# Altium PCB E103-W02.PcbDoc (part 2 of 2)
Units mm, origin at the board's own origin, x right, y up, seen from the top; angles counter-clockwise.
Board outline 53.97 x 42.01 mm, 6 copper layers (Top Layer, GND, Signal Layer 1, Signal Layer 2, VCC, Bottom Layer), stack 1.231 mm thick; 119 components, 154 nets, 664 pads, 390 vias.
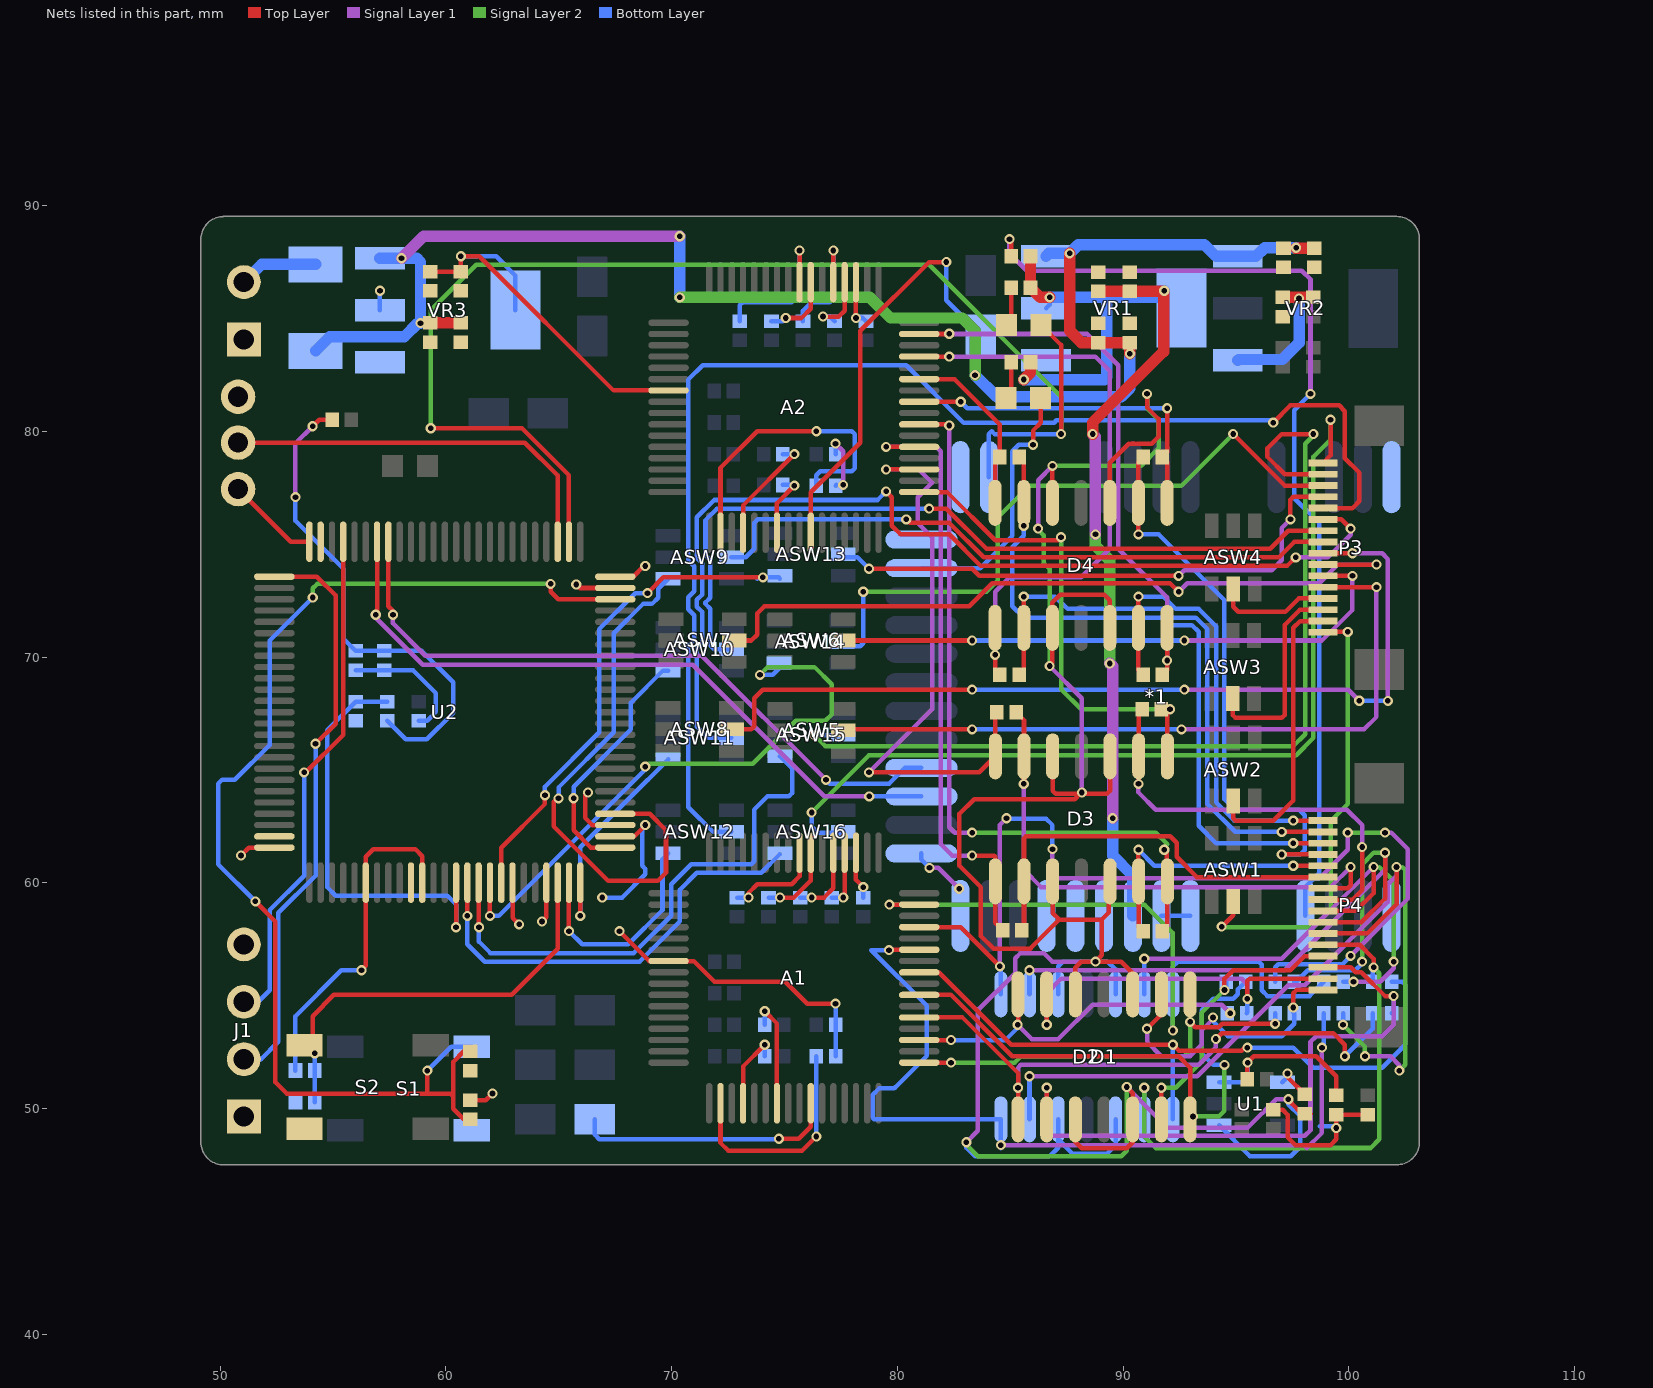
[diagram p6: the nets of this part, all layers, seen from the top]

## Via types
v1: diameter 0.45, hole 0.25, Top Layer to Bottom Layer, 390 vias

## Nets (pads, with @x,y where several pads share a name; then routed paths per layer and width w, separated by ;. In a path a pad name is that pad's centre, name@x,y a point inside that pad or via, vN(x,y) a via of type N, cw(c..) or ccw(c..) an arc to the next point about the centre after c; other vN are vias at no path point) (continued)
ENB2_1: ASW9.1 U2.29 | length 24
  Top Layer w0.2: v1(64.991,63.746) 64.991,63.808 64.77,63.587 64.77,62.513 67.194,60.089 69.387,60.089 69.752,60.454 69.752,62.338 69.026,63.064 U2.29@67.504,63.064
  Bottom Layer w0.2: v1(64.991,63.746) 64.991,64.229 67.437,66.675 67.437,71.061 68.734,72.359 69.128,72.359 69.408,72.638 69.408,73.032 ASW9.1@69.847,73.471
ENB2_2: ASW10.1 U2.26 | length 11.1
  Top Layer w0.2: v1(65.659,63.754) 65.659,62.332 66.427,61.564 U2.26@67.504,61.564
  Bottom Layer w0.2: v1(65.659,63.754) 65.659,64.262 68.199,66.802 68.199,67.985 69.622,69.408 ASW10.1@69.847,69.408
ENB2_3: ASW11.1 U2.25 | length 10
  Top Layer w0.2: v1(65.954,58.541) U2.25@65.954,60.014
  Bottom Layer w0.2: v1(65.954,58.541) 65.954,61.578 68.922,64.546 68.936,64.546 ; 68.936,64.547 68.936,64.56 ASW11.1@69.847,65.471
ENB2_4: ASW12.1 U2.24 | length 9.8
  Top Layer w0.2: v1(65.454,57.865) U2.24@65.454,60.014
  Bottom Layer w0.2: v1(65.454,57.865) 66.037,57.283 68.078,57.283 69.596,58.801 69.596,61.06 ASW12.1@69.847,61.311
ENB2_5: ASW13.1 U2.18 | length 22.3
  Top Layer w0.2: U2.18@62.484,59.984 U2.18@62.454,60.014 62.454,61.565 64.389,63.5 v1(64.389,63.881) ; v1(68.93,72.836) 69.627,73.533 v1(74.041,73.533)
  Bottom Layer w0.2: v1(64.389,63.881) 64.389,64.262 66.802,66.675 66.802,71.247 68.391,72.836 v1(68.93,72.836) ; 73.787,73.471 73.849,73.533 v1(74.041,73.533) 74.738,73.533 ASW13.1@74.8,73.471
ENB2_6: ASW14.1 U2.17 | length 26.4
  Top Layer w0.2: v1(61.954,58.541) U2.17@61.954,60.014
  Signal Layer 2 w0.2: v1(68.834,65.151) 68.961,65.278 73.591,65.278 75.496,67.183 76.811,67.183 77.089,67.461 77.089,68.802 76.327,69.564 74.263,69.564 v1(73.914,69.215)
  Bottom Layer w0.2: v1(61.954,58.541) 62.351,58.541 68.834,65.024 v1(68.834,65.151) ; v1(73.914,69.215) 74.48,69.215 ASW14.1@74.8,69.535
ENB2_7: ASW15.1 U2.16 | length 23.6
  Top Layer w0.2: U2.16@61.454,60.014 61.468,60 v1(61.468,58.039)
  Bottom Layer w0.2: v1(61.468,58.039) 61.468,57.404 61.976,56.896 68.326,56.896 69.977,58.547 69.977,59.944 70.866,60.833 73.533,60.833 73.665,60.965 73.665,63.251 74.247,63.833 75.184,63.833 75.333,63.982 75.333,65.081 ASW15.1@74.8,65.614
ENB2_8: ASW16.1 U2.15 | length 19.7
  Top Layer w0.2: v1(60.954,58.541) U2.15@60.954,60.014
  Bottom Layer w0.2: v1(60.954,58.541) 60.954,57.283 61.722,56.515 68.58,56.515 70.358,58.293 70.358,59.69 71.12,60.452 73.972,60.452 ASW16.1@74.8,61.28
ESP_RXD: *1.19 U2.69 | length 31
  Top Layer w0.2: v1(56.896,71.882) 56.954,71.94 U2.69@56.954,75.114
  Signal Layer 1 w0.2: v1(56.896,71.882) 56.758,71.882 58.98,69.659 70.929,69.659 76.756,63.833 v1(78.752,63.833)
  Bottom Layer w0.2: v1(78.752,63.833) *1.19@81.053,63.833
ESP_TXD: *1.20 U2.68 | length 30.3
  Top Layer w0.2: U2.68@57.454,75.114 57.454,72.263 57.658,72.059 v1(57.658,71.882)
  Signal Layer 1 w0.2: v1(57.658,71.882) 57.658,71.501 59.095,70.064 71.335,70.064 v1(76.835,64.564)
  Bottom Layer w0.2: v1(76.835,64.564) 77.01,64.389 79.629,64.389 80.337,65.097 *1.20@81.053,65.097
GND: *1.1 *1.8 *1.9 *1.11 *1.12 *1.13 *1.16 *1.17 *1.28 *1.29 *1.44 C1.1 C2.1 C3.1 C4.1 C5.1 C6.1 C11.1 C12.1 C13.1 C14.1 C20.1 C21.1 C22.1 C26.1 C30.1 J1.1 P1.1 pad.2@50.8,81.534 R2.1 R14.1 S1.2 S2.2 U2.10 U2.19 U2.27 U2.49 U2.74 U2.99 VR1.1 VR3.1 | length 19.4
  Top Layer w0.2: U2.19@62.954,60.014 62.954,58.458 v1(63.246,58.166) ; v1(65.773,73.218) 65.927,73.064 U2.49@67.504,73.064 ; U2.27@67.504,62.064 68.355,62.064 68.834,62.543 v1(68.834,62.568)
  Signal Layer 1 w0.2: v1(81.425,60.668) 81.807,60.668 v1(82.734,59.741)
  Bottom Layer w0.2: C26.1@56.007,69.425 C30.1@57.277,69.425 58.547,69.425 59.563,68.409 59.563,67.574 59.172,67.183 R14.1@58.801,67.183 ; v1(66.929,59.353) 67.807,59.353 68.834,60.38 68.834,60.619 68.692,60.761 68.692,62.426 v1(68.834,62.568) ; *1.17@81.053,61.305 81.053,61.04 v1(81.425,60.668) ; *1.9@91.691,58.541 *1.8@92.964,58.541
Is_nework: *1.30 D8.K U2.52 | length 58.4
  Top Layer w0.2: v1(59.334,80.137) 63.373,80.137 65.454,78.056 U2.52@65.454,75.114 ; D8.K@86.368,84.709 87.249,83.828 v1(87.249,79.883)
  Signal Layer 2 w0.2: v1(59.334,80.137) 59.334,85.369 61.341,87.376 81.407,87.376 87.249,81.534 v1(87.249,79.883)
  Bottom Layer w0.2: *1.30@84.05,77.972 84.05,79.883 84.177,80.01 84.304,79.883 v1(87.249,79.883)
j1_1: D1.2 P4.1 R18.1 | length 13.7
  Top Layer w0.2: v1(91.059,53.541) 91.694,54.176 D1.2@91.694,55.068 ; v1(97.536,54.483) 97.536,55.118 97.679,55.261 P4.1@98.849,55.261
  Signal Layer 1 w0.2: v1(91.059,53.541) 91.059,52.959 91.694,52.324 92.964,52.324 93.472,52.832 93.472,53.467 93.98,53.975 v1(93.98,54.041)
  Bottom Layer w0.2: v1(93.98,54.041) 93.98,53.875 94.642,53.213 97.028,53.213 97.58,53.765 R18.1@97.58,54.229 97.536,54.273 v1(97.536,54.483)
j1_2: D1.6 P4.2 R19.1 | length 17.5
  Top Layer w0.2: v1(86.614,53.721) D1.6@86.614,55.068 ; v1(95.504,54.864) 95.504,55.668 95.597,55.761 P4.2@98.849,55.761
  Signal Layer 1 w0.2: v1(86.614,53.721) 86.614,55.118 87.249,55.753 95.25,55.753 95.504,55.499 v1(95.504,54.864)
  Bottom Layer w0.2: R19.1@95.465,54.229 95.504,54.268 v1(95.504,54.864)
j1_3: D1.9 P4.3 R20.1 | length 28.9
  Top Layer w0.2: D1.9@86.614,49.53 v1(86.614,50.927) ; P4.3@98.849,56.261 100.088,56.261 100.308,56.041 100.55,56.041 101.6,54.991 v1(101.981,54.991)
  Signal Layer 1 w0.2: v1(86.614,50.927) 86.614,48.895 86.71,48.799 98.043,48.799 98.298,49.054 98.298,52.959 98.552,53.213 101.473,53.213 101.981,53.721 v1(101.981,54.991)
  Bottom Layer w0.2: R20.1@101.898,54.229 101.981,54.312 v1(101.981,54.991)
j1_4: D1.13 P4.4 R21.1 | length 12.9
  Top Layer w0.2: D1.13@91.694,49.53 v1(91.694,50.927) ; v1(94.488,55.261) 94.488,55.753 94.869,56.134 97.409,56.134 98.036,56.761 P4.4@98.849,56.761
  Signal Layer 2 w0.2: v1(91.694,50.927) 92.329,50.927 93.472,52.07 93.472,54.245 v1(94.488,55.261)
  Bottom Layer w0.2: v1(94.488,55.261) 94.571,55.344 R21.1@94.571,55.626
j1_5: D2.2 P4.5 R22.1 | length 25.6
  Top Layer w0.2: P4.5@98.849,57.261 100.473,57.261 101.092,56.642 v1(101.092,56.261)
  Signal Layer 2 w0.2: v1(90.932,50.927) 90.932,48.768 91.44,48.26 100.96,48.26 101.346,48.646 101.346,56.007 v1(101.092,56.261)
  Bottom Layer w0.2: D2.2@90.932,49.53 v1(90.932,50.927) ; R22.1@101.048,55.626 101.048,56.217 v1(101.092,56.261)
j1_6: D2.6 P4.6 R23.1 | length 41.8
  Top Layer w0.2: P4.6@98.849,57.761 100.814,57.761 102.108,59.055 v1(102.108,60.706)
  Signal Layer 1 w0.2: v1(85.852,51.435) 93.287,51.435 97.316,55.465 98.038,55.465 101.727,59.153 101.727,59.944 102.108,60.325 v1(102.108,60.706) ; v1(100.711,52.324) 101.841,52.324 102.235,51.93 v1(102.235,51.689)
  Signal Layer 2 w0.2: v1(99.739,53.721) 100.711,52.749 v1(100.711,52.324) ; v1(102.108,60.706) 102.362,60.706 102.489,60.579 102.489,51.943 v1(102.235,51.689)
  Bottom Layer w0.2: D2.6@85.852,49.53 v1(85.852,51.435) ; v1(99.739,53.721) R23.1@99.739,54.229
j1_7: D2.9 P4.7 R24.1 | length 33.6
  Top Layer w0.2: P4.7@98.849,58.261 100.552,58.261 101.6,59.309 v1(101.6,61.341)
  Signal Layer 1 w0.2: v1(85.852,56.134) 97.155,56.134 101.6,60.579 v1(101.6,61.341)
  Signal Layer 2 w0.2: v1(100.584,56.515) 100.584,60.833 101.092,61.341 v1(101.6,61.341)
  Bottom Layer w0.2: D2.9@85.852,55.068 v1(85.852,56.134) ; R24.1@97.58,55.626 97.663,55.626 98.171,56.134 100.286,56.134 100.584,56.432 v1(100.584,56.515)
j1_8: D2.13 P4.8 R25.1 | length 24.6
  Top Layer w0.2: P4.8@98.849,58.761 100.308,58.761 101.092,59.545 v1(101.092,60.706)
  Signal Layer 1 w0.2: v1(90.932,56.642) 97.028,56.642 v1(101.092,60.706) ; v1(100.203,55.626) 101.387,55.626 101.981,56.22 v1(101.981,56.515)
  Signal Layer 2 w0.2: v1(101.092,60.706) 101.346,60.706 101.981,60.071 v1(101.981,56.515)
  Bottom Layer w0.2: D2.13@90.932,55.068 v1(90.932,56.642) ; R25.1@99.739,55.626 v1(100.203,55.626)
j2_1: D3.2 P4.9 R26.1 | length 18.9
  Top Layer w0.2: v1(90.678,64.389) 90.688,64.399 D3.2@90.688,65.609 90.688,67.535 R26.1@90.844,67.691 ; P4.9@98.849,59.261 100.155,59.261 100.584,59.69 v1(100.584,61.595)
  Signal Layer 1 w0.2: v1@90.678,64.262 90.678,64.008 91.44,63.246 99.902,63.246 100.584,62.564 v1(100.584,61.595)
j2_2: D3.6 P4.10 R27.1 | length 24.4
  Top Layer w0.2: R27.1@85.261,67.564 85.608,67.217 D3.6@85.608,65.609 85.608,64.399 v1(85.598,64.389) ; P4.10@98.849,59.761 99.944,59.761 100.076,59.893 v1(100.076,60.706)
  Signal Layer 1 w0.2: v1(85.598,64.389) 85.598,60.579 86.36,59.817 99.187,59.817 v1(100.076,60.706)
j2_3: D3.9 P4.11 R28.1 | length 18.5
  Top Layer w0.2: R28.1@85.515,57.912 85.608,58.005 D3.9@85.608,60.071 85.608,61.979 85.693,62.064 92.083,62.064 92.371,61.776 92.371,61.153 93.263,60.261 P4.11@98.849,60.261
j2_4: D3.13 P4.12 R29.1 | length 12.2
  Top Layer w0.2: v1(90.678,61.468) 90.678,60.081 D3.13@90.688,60.071 90.688,58.065 R29.1@90.888,57.865 ; v1(97.536,60.761) P4.12@98.849,60.761
  Bottom Layer w0.2: v1(90.678,61.468) 91.385,60.761 v1(97.536,60.761)
j2_5: D4.2 P4.13 R30.1 | length 25.7
  Top Layer w0.2: v1(90.678,75.438) D4.2@90.678,76.835 90.678,78.657 R30.1@90.888,78.867 ; v1(97.028,61.261) P4.13@98.849,61.261
  Bottom Layer w0.2: v1(90.678,75.438) 91.567,75.438 94.488,72.517 94.488,63.706 94.948,63.246 97.79,63.246 98.044,62.992 98.044,61.454 97.851,61.261 v1(97.028,61.261)
j2_6: D4.6 P4.14 R31.1 | length 30
  Top Layer w0.2: R31.1@85.388,78.867 85.598,78.657 D4.6@85.598,76.835 v1(85.598,75.819) ; v1(97.536,61.761) P4.14@98.849,61.761
  Bottom Layer w0.2: v1(85.598,75.819) 85.598,75.371 85.09,74.863 85.09,72.263 85.598,71.755 91.737,71.755 92.075,71.417 93.048,71.417 93.345,71.12 93.345,62.529 94.113,61.761 v1(97.536,61.761)
j2_7: D4.9 P4.15 R32.1 | length 25.7
  Top Layer w0.2: R32.1@85.388,69.215 85.598,69.425 D4.9@85.598,71.297 v1(85.598,72.68) ; v1(97.028,62.261) P4.15@98.849,62.261
  Bottom Layer w0.2: v1(85.598,72.68) 86.995,72.68 87.539,72.136 91.821,72.136 92.202,71.755 93.218,71.755 93.726,71.247 93.726,63.5 94.965,62.261 v1(97.028,62.261)
j2_8: D4.13 P4.16 R33.1 | length 20.4
  Top Layer w0.2: v1(90.678,72.68) D4.13@90.678,71.297 90.678,69.425 R33.1@90.888,69.215 ; v1(97.536,62.761) P4.16@98.849,62.761
  Bottom Layer w0.2: v1(90.678,72.68) 91.785,72.68 92.329,72.136 93.345,72.136 94.113,71.368 94.113,63.577 94.929,62.761 v1(97.536,62.761)
KEY: C22.2 R11.1 S2.1 U2.23 | length 18.6
  Top Layer w0.2: S2.1@53.734,52.809 54.102,53.178 54.102,54.102 55.041,55.041 62.915,55.041 64.954,57.08 64.954,58.541 U2.23@64.954,60.014
  Bottom Layer w0.2: C22.2@54.19,50.294 R11.1@54.19,51.689 v1(54.19,52.451)
Net*1_4: *1.4 R12.2 | length 44.4
  Top Layer w0.2: v1(84.963,88.519) 85.046,88.436 R12.2@85.046,87.757
  Signal Layer 1 w0.2: v1(84.963,88.519) 84.963,87.884 85.725,87.122 97.917,87.122 98.298,86.741 v1(98.298,81.661)
  Bottom Layer w0.2: *1.4@98.058,58.541 98.058,59.811 98.679,60.432 98.679,75.946 97.58,77.045 97.58,80.943 v1(98.298,81.661)
Net*1_27: *1.27 D9.K | length 11.6
  Top Layer w0.2: v1(86.008,79.406) 86.008,80.039 86.349,80.38 D9.K@86.349,81.485
  Bottom Layer w0.2: *1.27@81.053,73.944 83.666,73.944 85.09,75.368 85.09,79.121 85.375,79.406 v1(86.008,79.406)
NetA1_8: A1.8 OS1.1 | length 4.3
  Top Layer w0.2: v1(73.406,59.353) 73.406,59.558 73.792,59.944 75.316,59.944 75.665,60.293 A1.8@75.665,61.341
  Bottom Layer w0.2: OS1.1@72.898,59.353 v1(73.406,59.353)
NetA1_34: A1.34 R13.1 | length 10
  Top Layer w0.2: A1.34@72.165,50.241 72.165,48.485 72.517,48.133 75.775,48.133 v1(76.41,48.768)
  Bottom Layer w0.2: v1(76.41,48.768) R13.1@76.41,52.324
NetA1_36: A1.36 C33.1 | length 3.5
  Top Layer w0.2: A1.36@73.165,50.241 73.165,51.873 v1(74.124,52.832)
  Bottom Layer w0.2: C33.1@74.124,52.324 v1(74.124,52.832)
NetA1_39: A1.39 C32.1 | length 4.9
  Top Layer w0.2: v1(74.124,54.315) 74.665,53.774 A1.39@74.665,50.241
  Bottom Layer w0.2: C32.1@74.124,53.721 v1(74.124,54.315)
NetA1_42: A1.42 C25.1 | length 11.6
  Top Layer w0.2: v1(74.752,48.673) 75.633,48.673 76.165,49.205 A1.42@76.165,50.241
  Bottom Layer w0.2: C25.1@66.588,49.53 66.588,48.855 66.802,48.641 74.72,48.641 v1(74.752,48.673)
NetA2_8: A2.8 OS6.1 | length 6.9
  Top Layer w0.2: A2.8@75.665,86.614 v1(75.665,88.011)
  Bottom Layer w0.2: OS6.1@73.025,84.88 73.025,85.598 73.152,85.725 75.311,85.725 75.665,86.079 v1(75.665,88.011)
NetA2_34: A2.34 R17.1 | length 13.3
  Top Layer w0.2: A2.34@72.165,75.514 72.165,78.388 73.787,80.01 v1(76.41,80.01)
  Bottom Layer w0.2: R17.1@76.41,77.597 76.41,78.061 76.581,78.232 77.978,78.232 78.105,78.359 78.105,79.883 77.978,80.01 v1(76.41,80.01)
NetA2_36: A2.36 C43.1 | length 4.9
  Top Layer w0.2: A2.36@73.165,75.514 73.165,76.721 v1(75.438,78.994)
  Bottom Layer w0.2: C43.1@74.93,78.994 v1(75.438,78.994)
NetA2_39: A2.39 C42.1 | length 2.9
  Top Layer w0.2: A2.39@74.665,75.514 74.665,76.824 v1(75.438,77.597)
  Bottom Layer w0.2: C42.1@74.93,77.63 v1@75.405,77.63
NetA2_42: A2.42 C41.1 | length 18.8
  Top Layer w0.2: A2.42@76.165,75.514 76.165,77.308 78.359,79.502 78.359,84.455 81.407,87.503 v1(82.169,87.503)
  Bottom Layer w0.2: v1(82.169,87.503) 82.169,85.812 C41.1@83.693,84.288
NetC10_2: C10.2 R1.1 R4.2 | length 7.4
  Top Layer w0.2: R1.1@96.647,49.955 97.067,49.955 97.282,49.74 97.282,48.739 97.634,48.387 99.187,48.387 99.441,48.641 v1(99.441,49.149) R4.2@99.441,49.74 C10.2@100.838,49.74
  Bottom Layer w0.2: 98.699,49.215 99.375,49.215 v1(99.441,49.149)
NetD5_A: 
NetD7_A: 
NetD8_A: D8.A R15.1 | length 1.7
  Top Layer w0.2: D8.A@84.828,84.709 85.046,84.927 R15.1@85.046,86.36
NetD9_A: D9.A R16.2 | length 1.7
  Top Layer w0.2: D9.A@84.809,81.485 85.046,81.722 R16.2@85.046,83.058
NetD10_A: D10.1 P1.2 | length 3.5
  Bottom Layer w0.508: P1.2@51.054,86.614 51.836,87.396 D10.1@54.229,87.396
NetR2_2: R2.2 R3.1 VR2.1 | length 6.3
  Top Layer w0.508: R2.2@97.062,85.938 R3.1@98.419,85.938
  Bottom Layer w0.508: VR2.1@95.078,83.149 95.114,83.185 97.051,83.185 97.79,83.924 v1(97.79,85.884)
NetR5_1: R5.1 U1.4 | length 1.7
  Top Layer w0.2: v1(97.282,51.562) 97.282,51.396 R5.1@98.044,50.634
  Bottom Layer w0.2: U1.4@97.051,51.166 97.282,51.397 v1(97.282,51.562)
O_DOWN: C21.2 R9.1 S1.1 U2.48 | length 54.5
  Top Layer w0.2: v1(51.562,59.182) 52.451,58.293 52.451,51.181 52.959,50.673 59.182,50.673 ; v1(59.182,51.689) 59.182,50.673 ; R9.1@61.087,49.53 60.793,49.53 60.325,49.998 60.325,50.546 ; C21.2@61.087,52.539 60.794,52.539 60.325,52.07 60.325,50.546 ; v1@64.643,73.279 v1(64.643,73.245) 64.643,72.898 64.977,72.564 U2.48@67.504,72.564 ; 59.182,50.673 60.198,50.673 60.325,50.546
  Signal Layer 2 w0.2: v1(54.102,72.644) 54.102,73.046 54.301,73.245 v1(64.643,73.245)
  Bottom Layer w0.2: v1(51.562,59.182) 49.911,60.833 49.911,64.389 50.086,64.564 50.652,64.564 52.197,66.109 52.197,70.739 v1(54.102,72.644) ; v1(59.182,51.689) 60.232,52.739 S1.1@61.147,52.739
OS1_0: A1.3 OS2.1 | length 2.1
  Top Layer w0.2: A1.3@78.165,61.341 78.165,60.138 v1(78.486,59.817)
  Bottom Layer w0.2: OS2.1@78.486,59.353 v1(78.486,59.817)
OS1_1: A1.4 OS5.1 | length 2.5
  Top Layer w0.2: v1(77.6,59.353) 77.665,59.418 A1.4@77.665,61.341
  Bottom Layer w0.2: OS5.1@77.089,59.353 v1(77.6,59.353)
OS1_2: A1.5 OS3.1 | length 3.2
  Top Layer w0.2: v1(76.2,59.353) 76.752,59.353 77.165,59.766 A1.5@77.165,61.341
  Bottom Layer w0.2: OS3.1@75.692,59.353 v1(76.2,59.353)
OS2_0: A2.3 OS7.1 | length 2.1
  Top Layer w0.2: v1(78.165,85.023) A2.3@78.165,86.614
  Bottom Layer w0.2: v1(78.165,85.023) 78.47,85.023 OS7.1@78.613,84.88
OS2_1: A2.4 OS10.1 | length 2.9
  Top Layer w0.2: v1@76.708,85.088 77.408,85.088 77.665,85.345 A2.4@77.665,86.614
  Bottom Layer w0.2: v1(76.708,85.09) 77.006,85.09 OS10.1@77.216,84.88
OS2_2: A2.5 OS8.1 | length 5.6
  Top Layer w0.2: A2.5@77.165,86.614 v1(77.165,88.011)
  Bottom Layer w0.2: OS8.1@75.819,84.88 75.819,85.344 76.2,85.725 77.006,85.725 77.165,85.884 v1(77.165,88.011)
out1_1: A1.49 D1.1 R18.2 | length 17.9
  Top Layer w0.2: A1.49@80.965,52.041 v1(82.373,52.041) ; v1(92.964,53.848) 93.201,53.611 94.234,53.611 94.388,53.765 v1(96.73,53.765)
  Signal Layer 2 w0.2: v1(82.373,52.041) 85.188,52.041 85.471,52.324 92.71,52.324 92.964,52.578 v1(92.964,53.848)
  Bottom Layer w0.2: v1(96.73,53.765) R18.2@96.73,54.229
out1_2: A1.51 D1.7 R19.2 | length 16.8
  Top Layer w0.2: A1.51@80.965,53.041 v1(82.373,53.041) ; v1(85.324,53.721) 85.344,53.741 D1.7@85.344,55.068
  Signal Layer 1 w0.2: v1(85.324,53.721) 85.959,53.086 87.122,53.086 88.646,54.61 94.361,54.61 v1(94.742,54.229)
  Bottom Layer w0.2: v1(82.373,53.041) 84.791,53.041 85.324,53.574 v1(85.324,53.721) v1@85.324,53.848 ; R19.2@94.615,54.229 v1(94.742,54.229)
out1_3: A1.53 D1.8 R20.2 | length 26.8
  Top Layer w0.2: A1.53@80.965,54.041 82.882,54.041 85.344,51.579 v1(85.344,50.927) D1.8@85.344,49.53 ; v1(94.107,53.086) 94.361,53.34 99.314,53.34 99.822,52.832 v1(99.822,52.324)
  Signal Layer 1 w0.2: v1(85.344,50.927) 85.344,51.816 85.471,51.943 93.345,51.943 94.107,52.705 v1@94.107,53.041
  Bottom Layer w0.2: v1(99.822,52.324) 101.048,53.55 R20.2@101.048,54.229
out1_4: A1.55 D1.14 R21.2 | length 24.9
  Top Layer w0.2: A1.55@80.965,55.041 82.373,55.041 85.09,52.324 92.456,52.324 92.964,51.816 D1.14@92.964,49.53
  Signal Layer 2 w0.2: v1(93.091,49.657) 94.234,49.657 94.488,49.911 v1(94.488,51.943)
  Bottom Layer w0.2: v1(94.488,51.943) 93.98,51.943 93.472,52.451 93.472,54.356 93.98,54.864 94.869,54.864 95.078,55.073 95.078,55.283 R21.2@95.421,55.626
out1_5: A1.57 D2.1 R22.2 | length 30.5
  Top Layer w0.2: A1.57@80.965,56.041 81.839,56.041 85.048,52.832 v1(92.202,52.832) 92.456,52.578 95.25,52.578 95.46,52.788 95.504,52.744 v1(95.504,52.705)
  Bottom Layer w0.2: D2.1@92.202,49.53 v1(92.202,52.832) ; v1(95.504,52.705) 97.536,52.705 98.425,51.816 101.473,51.816 102.489,52.832 102.489,55.499 102.362,55.626 R22.2@101.898,55.626
out1_6: A1.59 D2.7 R23.2 | length 39
  Top Layer w0.2: v1(79.629,57.023) 79.647,57.041 A1.59@80.965,57.041
  Signal Layer 1 w0.2: v1(84.582,48.387) 98.012,48.387 98.139,48.26 98.806,48.927 v1(98.806,52.705)
  Bottom Layer w0.2: v1(79.629,57.023) 78.849,57.023 81.309,54.563 81.309,52.344 79.929,50.964 79.926,50.964 79.912,50.95 79.908,50.95 79.895,50.937 79.89,50.937 79.879,50.926 79.871,50.926 79.862,50.917 79.853,50.917 79.846,50.909 79.835,50.909 79.829,50.904 79.817,50.904 79.813,50.899 79.799,50.899 79.797,50.897 79.187,50.897 78.902,50.612 78.902,49.592 78.964,49.53 D2.7@84.582,49.53 84.582,48.26 v1(84.582,48.387) ; v1(98.806,52.705) 98.889,52.788 R23.2@98.889,54.229
out1_7: A1.61 D2.8 R24.2 | length 43.9
  Top Layer w0.2: A1.61@80.965,58.041 82.802,58.041 v1(84.538,56.305)
  Signal Layer 1 w0.2: v1(84.538,56.305) 84.538,62.567 v1(84.836,62.865) ; v1(86.868,61.499) 86.868,60.452 87.122,60.198 98.679,60.198 99.949,61.468 v1(99.949,62.23) ; v1(100.076,56.769) 102.616,59.309 102.616,61.499 101.885,62.23 v1(101.6,62.23)
  Signal Layer 2 w0.2: v1(99.949,62.23) v1(101.6,62.23)
  Bottom Layer w0.2: v1(84.538,56.305) 84.582,56.261 D2.8@84.582,55.068 ; v1(84.836,62.865) 84.852,62.849 86.583,62.849 86.868,62.564 v1(86.868,61.499) ; R24.2@96.73,55.626 96.73,56.261 96.875,56.406 99.713,56.406 v1(100.076,56.769)
out1_8: A1.63 D2.14 R25.2 | length 29.9
  Top Layer w0.2: v1(79.647,59.041) A1.63@80.965,59.041
  Signal Layer 2 w0.2: v1(79.647,59.041) 90.946,59.041 92.202,57.785 v1(92.202,53.467)
  Bottom Layer w0.2: v1(92.202,53.467) D2.14@92.202,55.068 92.202,56.305 92.412,56.515 96.012,56.515 96.139,56.388 96.139,55.245 96.393,54.991 98.254,54.991 R25.2@98.889,55.626
out2_1: A2.49 D3.1 R26.2 | length 21.7
  Top Layer w0.2: A2.49@80.965,77.314 82.198,77.314 84.328,75.184 87.122,75.184 v1(87.249,75.311) ; D3.1@91.958,65.609 91.958,67.427 R26.2@91.694,67.691 v1(92.075,67.691)
  Signal Layer 2 w0.2: v1(87.249,75.311) 87.249,68.58 88.138,67.691 v1(92.075,67.691)
out2_2: A2.51 D3.7 R27.2 | length 26.1
  Top Layer w0.2: v1(78.74,64.897) 83.626,64.897 D3.7@84.338,65.609 84.338,67.491 R27.2@84.411,67.564 ; v1(79.502,78.314) A2.51@80.965,78.314
  Signal Layer 1 w0.2: v1(78.74,64.897) 81.534,67.691 81.534,75.311 80.899,75.946 80.899,77.089 81.534,77.724 80.944,78.314 v1(79.502,78.314)
out2_3: A2.53 D3.8 R28.2 | length 27.4
  Top Layer w0.2: v1(79.502,79.314) A2.53@80.965,79.314 ; v1(83.312,61.214) 84.291,61.214 84.338,61.167 D3.8@84.338,60.071 84.338,58.239 R28.2@84.665,57.912
  Signal Layer 1 w0.2: v1(79.502,79.314) 81.722,79.314 81.915,79.121 81.915,61.722 82.423,61.214 v1(83.312,61.214)
out2_4: A2.55 D3.14 R29.2 | length 33.4
  Top Layer w0.2: A2.55@80.965,80.314 v1@82.296,80.314 ; R29.2@91.738,57.865 91.958,58.085 D3.14@91.958,60.071 91.937,60.092 91.937,61.468 v1(91.821,61.468)
  Signal Layer 1 w0.2: v1(82.296,80.264) 82.296,62.474 82.54,62.23 v1(83.312,62.23)
  Signal Layer 2 w0.2: v1(83.312,62.23) 91.44,62.23 91.948,61.722 91.821,61.595 91.937,61.479 91.926,61.468 v1(91.821,61.468)
out2_5: A2.57 D4.1 R30.2 | length 15.5
  Top Layer w0.2: A2.57@80.965,81.314 v1(82.804,81.314) ; D4.1@91.948,76.835 91.948,78.657 R30.2@91.738,78.867 91.948,79.077 v1(91.948,81.026)
  Bottom Layer w0.2: v1(82.804,81.314) 83.092,81.026 v1(91.948,81.026)
out2_6: A2.59 D4.7 R31.2 | length 8
  Top Layer w0.2: A2.59@80.965,82.314 82.532,82.314 84.538,80.308 R31.2@84.538,78.867 84.328,78.657 D4.7@84.328,76.835
out2_7: A2.61 D4.8 R32.2 | length 27.4
  Top Layer w0.2: A2.61@80.965,83.314 v1@82.282,83.314 ; D4.8@84.328,71.297 84.328,69.425 R32.2@84.538,69.215
  Signal Layer 1 w0.2: v1(82.296,83.312) 88.773,83.312 89.408,82.677 89.408,74.803 88.138,73.533 84.963,73.533 84.328,72.898 v1(84.328,70.104)
out2_8: A2.63 D4.14 R33.2 | length 25.5
  Top Layer w0.2: A2.63@80.965,84.314 82.282,84.314 v1(82.296,84.328) ; R33.2@91.738,69.215 91.948,69.425 D4.14@91.948,71.297
  Signal Layer 1 w0.2: v1@82.296,84.314 88.406,84.314 89.789,82.931 89.789,74.803 91.948,72.644 v1(91.948,69.85)
r1_1: ASW1.5 P3.1 | length 20.2
  Top Layer w0.2: v1(94.361,58.065) 94.869,58.573 ASW1.5@94.869,59.179 ; P3.1@98.849,71.102 98.867,71.12 v1(99.949,71.12)
  Signal Layer 2 w0.2: v1(94.361,58.065) 94.387,58.039 98.425,58.039 99.187,58.801 99.187,62.738 99.949,63.5 v1(99.949,71.12)
r1_2: ASW2.5 P3.2 | length 12.9
  Top Layer w0.2: ASW2.5@94.869,63.624 94.869,62.865 94.973,62.761 96.647,62.761 97.536,63.65 97.536,71.297 97.841,71.602 P3.2@98.849,71.602
r1_3: ASW3.5 P3.3 | length 9.1
  Top Layer w0.2: ASW3.5@94.846,68.164 94.846,67.437 94.973,67.31 97.028,67.31 97.155,67.437 97.155,71.427 97.83,72.102 P3.3@98.849,72.102
r1_4: ASW4.5 P3.4 | length 5.1
  Top Layer w0.2: ASW4.5@94.869,73.022 94.869,72.24 95.1,72.009 97.189,72.009 97.782,72.602 P3.4@98.849,72.602
r1_5: ASW5.5 P3.5 | length 32
  Top Layer w0.2: ASW5.5@77.6,66.763 77.639,66.802 v1(83.312,66.802) ; P3.5@98.849,73.102 v1(101.219,73.102)
  Signal Layer 1 w0.2: v1(92.583,66.802) 100.67,66.802 101.219,67.351 v1(101.219,73.102)
  Bottom Layer w0.2: v1(83.312,66.802) v1(92.583,66.802)
r1_6: ASW6.5 P3.6 | length 25.9
  Top Layer w0.2: ASW6.5@77.6,70.739 v1(83.312,70.739) ; P3.6@98.849,73.602 v1(100.155,73.602)
  Signal Layer 1 w0.2: v1(92.71,70.739) 98.806,70.739 100.155,72.088 v1(100.155,73.602)
  Bottom Layer w0.2: v1(83.312,70.739) v1(92.71,70.739)
r1_7: ASW7.5 P3.7 | length 33.1
  Top Layer w0.2: ASW7.5@72.774,70.739 73.533,70.739 73.787,70.993 73.787,71.937 74.113,72.263 83.185,72.263 84.201,73.279 92.075,73.279 v1(92.456,72.898) ; P3.7@98.849,74.102 v1(101.219,74.102)
  Signal Layer 1 w0.2: v1(92.456,72.898) 92.837,73.279 98.679,73.279 99.502,74.102 v1(101.219,74.102)
r1_8: ASW8.5 P3.8 | length 40
  Top Layer w0.2: ASW8.5@72.647,66.802 73.533,66.802 73.665,66.934 73.665,68.188 74.041,68.564 v1(83.312,68.564) ; P3.8@98.849,74.602 v1(100.155,74.602)
  Signal Layer 1 w0.2: v1(92.71,68.564) 99.965,68.564 v1(100.457,68.072) ; v1(100.155,74.602) 101.473,74.602 101.727,74.348 v1(101.727,68.064)
  Bottom Layer w0.2: v1(83.312,68.564) v1(92.71,68.564) ; v1(100.457,68.072) 101.719,68.072 v1(101.727,68.064)
r2_1: ASW9.5 P3.9 | length 28.5
  Top Layer w0.2: v1(80.391,76.102) 80.547,75.946 82.296,75.946 83.82,74.422 96.901,74.422 97.581,75.102 P3.9@98.849,75.102
  Bottom Layer w0.2: ASW9.5@72.647,74.421 73.278,74.421 73.665,74.808 73.665,75.946 73.821,76.102 v1(80.391,76.102)
r2_2: ASW10.5 P3.10 | length 35.4
  Top Layer w0.2: v1(81.407,76.581) 82.169,76.581 83.947,74.803 96.52,74.803 97.319,75.602 P3.10@98.849,75.602
  Bottom Layer w0.2: ASW10.5@72.647,70.358 71.882,70.358 71.707,70.533 71.707,72.15 71.501,72.356 71.501,72.423 71.707,72.629 71.707,74.314 71.501,74.519 71.501,76.073 72.009,76.581 v1(81.407,76.581)
r2_3: ASW11.5 P3.11 | length 45.2
  Top Layer w0.2: v1(79.502,77.343) 79.756,77.089 79.756,75.819 80.137,75.438 82.296,75.438 83.693,74.041 97.26,74.041 v1(97.641,74.422) ; P3.11@98.849,76.102 99.666,76.102 v1(100.076,75.692)
  Signal Layer 1 w0.2: v1(97.641,74.422) 99.071,74.422 100.076,75.427 v1(100.076,75.692)
  Bottom Layer w0.2: ASW11.5@72.647,66.421 71.628,66.421 71.12,66.929 71.12,70.377 71.354,70.612 71.354,72.004 71.12,72.239 71.12,72.541 71.354,72.775 71.354,74.168 71.12,74.402 71.12,76.2 71.882,76.962 79.121,76.962 v1(79.502,77.343)
r2_4: ASW12.5 P3.12 | length 58.6
  Top Layer w0.2: v1(96.647,80.391) 97.409,81.153 99.568,81.153 99.822,80.899 99.822,78.814 100.457,78.179 100.457,76.904 100.155,76.602 P3.12@98.849,76.602
  Bottom Layer w0.2: ASW12.5@72.647,62.261 71.835,62.261 70.739,63.357 70.739,70.495 71.002,70.757 71.002,71.859 70.739,72.121 70.739,72.658 71.002,72.921 71.002,74.022 70.739,74.285 70.739,82.296 71.374,82.931 80.391,82.931 82.931,80.391 86.945,80.391 87.041,80.487 96.551,80.487 v1(96.647,80.391)
r2_5: ASW13.5 P3.13 | length 24.4
  Top Layer w0.2: v1(78.74,73.914) 83.312,73.914 83.624,73.602 v1(92.456,73.602) ; v1(97.409,76.102) 97.409,76.975 97.536,77.102 P3.13@98.849,77.102
  Signal Layer 1 w0.2: v1(92.456,73.602) 92.71,73.856 96.589,73.856 97.028,74.295 97.028,75.721 v1(97.409,76.102)
  Bottom Layer w0.2: ASW13.5@77.6,74.421 78.233,74.421 v1(78.74,73.914)
r2_6: ASW14.5 P3.14 | length 29.1
  Top Layer w0.2: v1(94.869,79.883) 97.15,77.602 P3.14@98.849,77.602
  Signal Layer 2 w0.2: v1(78.486,72.898) 83.947,72.898 84.455,73.406 84.455,76.2 85.852,77.597 92.583,77.597 v1(94.869,79.883)
  Bottom Layer w0.2: ASW14.5@77.6,70.485 78.359,70.485 78.486,70.612 v1(78.486,72.898)
r2_7: ASW15.5 P3.15 | length 42.3
  Top Layer w0.2: v1(98.425,79.883) 97.028,79.883 96.393,79.248 96.393,78.867 97.155,78.105 98.846,78.105 P3.15@98.849,78.102
  Signal Layer 2 w0.2: v1(76.327,66.548) 76.811,66.064 97.538,66.064 98.068,66.594 98.068,79.457 98.425,79.814 v1(98.425,79.883)
  Bottom Layer w0.2: v1(76.327,66.548) 77.584,66.548 ASW15.5@77.6,66.564
r2_8: ASW16.5 P3.16 | length 42.2
  Top Layer w0.2: P3.16@98.849,78.602 99.187,78.94 v1(99.187,80.518)
  Signal Layer 2 w0.2: v1(76.2,63.119) 78.74,65.659 97.663,65.659 98.425,66.421 98.425,78.867 99.187,79.629 v1(99.187,80.518)
  Bottom Layer w0.2: v1(76.2,63.119) 76.2,62.484 76.454,62.23 ASW16.5@77.6,62.23
RESET: C20.2 R10.1 U2.14 | length 19.2
  Top Layer w0.2: v1(60.452,58.039) 60.452,60.012 U2.14@60.454,60.014
  Bottom Layer w0.2: R10.1@57.404,68.033 C20.2@56.007,68.033 54.737,66.763 54.737,59.817 55.118,59.436 60.071,59.436 60.452,59.055 v1(60.452,58.039)
STBY1: A1.7 OS4.1 | length 3.4
  Top Layer w0.2: v1(74.8,59.353) 75.412,59.353 76.165,60.106 A1.7@76.165,61.341
  Bottom Layer w0.2: OS4.1@74.295,59.353 v1(74.8,59.353)
STBY2: A2.7 OS9.1 | length 3.2
  Top Layer w0.2: v1(75.057,85.023) 75.752,85.023 76.165,85.436 A2.7@76.165,86.614
  Bottom Layer w0.2: OS9.1@74.422,84.88 74.914,84.88 v1(75.057,85.023)
SWCLK: J1.2 U2.76 | length 25.7
  Top Layer w0.2: U2.76@52.404,73.564 54.288,73.564 55.118,72.734 55.118,67.056 v1(54.229,66.167)
  Bottom Layer w0.2: J1.2@51.054,52.197 51.816,52.197 52.578,52.959 52.578,58.674 54.229,60.325 v1(54.229,66.167)
SWDIO: J1.3 U2.72 | length 22.6
  Top Layer w0.2: v1(53.721,64.897) 53.796,64.897 55.454,66.555 U2.72@55.454,75.114
  Bottom Layer w0.2: J1.3@51.054,54.737 51.689,54.737 52.197,55.245 52.197,58.801 53.721,60.325 v1(53.721,64.897)
TEM: pad.2@50.8,79.502 U2.53 | length 17.7
  Top Layer w0.2: pad.2@50.8,79.502 63.5,79.502 64.954,78.048 U2.53@64.954,75.114
VCC: A1.23 A2.23 C13.2 C14.2 C24.1 C26.2 C30.2 C40.1 J1.4 pad.2@50.8,77.441 R9.2 R10.2 R11.2 R13.2 R17.2 R34.1 U2.6 U2.11 U2.22 U2.28 U2.50 U2.75 U2.100 VR3.2 | length 85.1
  Top Layer w0.2: pad.2@50.8,77.441 53.127,75.114 U2.75@53.954,75.114 ; v1(50.927,61.214) 51.277,61.564 U2.100@52.404,61.564 ; v1(54.099,80.228) 54.389,80.518 R34.1@54.969,80.518 ; v1(56.261,56.134) 56.454,56.327 U2.6@56.454,60.014 56.454,61.153 56.79,61.489 58.653,61.489 58.954,61.188 U2.11@58.954,60.014 ; C14.2@59.309,87.081 C13.2@60.666,87.081 v1(60.666,87.757) 61.486,87.757 67.429,81.814 A2.23@69.865,81.814 ; R9.2@61.087,50.38 61.772,50.38 v1(62.065,50.673) ; v1(64.262,58.293) 64.454,58.485 U2.22@64.454,60.014 ; v1(66.294,64.008) 66.167,63.881 66.167,62.888 66.491,62.564 U2.28@67.504,62.564 ; U2.50@67.504,73.564 68.296,73.564 68.773,74.041 v1(68.834,74.041) ; v1(67.691,57.865) 69.015,56.541 A1.23@69.865,56.541 70.984,56.541 71.899,55.626 75.038,55.626 76.01,54.654 v1(77.26,54.654)
  Signal Layer 1 w0.2: v1(53.34,77.089) 53.34,79.469 v1(54.099,80.228) ; v1(77.26,79.458) 77.597,79.121 v1(77.597,77.63)
  Bottom Layer w0.2: R11.2@53.34,51.689 53.34,54.102 55.372,56.134 v1(56.261,56.134) ; v1(53.34,77.089) 53.34,76.044 55.454,73.93 55.454,70.828 C26.2@56.007,70.275 C30.2@57.277,70.275 58.933,70.275 60.325,68.883 60.325,67.53 59.156,66.361 58.226,66.361 R10.2@57.404,67.183 ; VR3.2@57.082,85.371 v1(57.082,86.233) ; v1(60.666,87.757) 62.23,87.757 63.082,86.905 VR3.2@63.082,85.371 ; R13.2@77.26,52.324 C24.1@77.26,53.721 v1(77.26,54.654) v1@77.343,54.737 ; R17.2@77.26,77.597 R17.2@77.293,77.63 ; C40.1@77.26,78.994 v1(77.26,79.458)
VCC_E103: *1.10 C3.2 C4.2 R12.1 R15.2 R16.1 VR1.2 | length 48.8
  Top Layer w0.508: v1(85.598,82.296) 85.896,82.594 R16.1@85.896,83.058 ; R12.1@85.896,87.757 R15.2@85.896,86.36 86.318,85.938 v1(86.741,85.938) ; v1(88.646,79.883) 88.646,80.391 91.792,83.537 91.792,86.204 C3.2@90.297,86.204 C4.2@88.9,86.204
  Signal Layer 1 w0.508: v1(88.646,79.883) 88.773,79.756 v1(88.773,75.438) ; v1(89.408,69.723) 89.535,69.596 v1(89.535,62.865)
  Signal Layer 2 w0.508: v1(88.773,75.438) 88.773,74.93 89.408,74.295 v1(89.408,69.723)
  Bottom Layer w0.2: VR1.2@86.583,85.457 86.741,85.615 v1(86.741,85.938)
  Bottom Layer w0.508: v1(85.598,82.296) 89.154,82.296 89.281,82.423 89.281,85.938 ; v1(86.741,85.938) 89.281,85.938 ; v1@89.535,62.761 89.535,61.214 90.417,60.332 *1.10@90.417,58.541 ; v1(91.821,86.233) 91.526,85.938 89.281,85.938
Ve: D1.3 D1.5 D1.10 D1.12 D2.3 D2.5 D2.10 D2.12 D3.3 D3.5 D3.10 D3.12 D4.3 D4.5 D4.10 D4.12 R5.2 U1.1 | length 133.2
  Top Layer w0.2: v1(86.741,69.611) 86.868,69.738 D4.10@86.868,71.297 86.868,72.426 87.213,72.771 89.164,72.771 89.408,72.527 D4.12@89.408,71.297 ; D4.5@86.868,76.835 v1(86.868,78.475) ; D3.10@86.878,60.071 86.878,58.664 87.163,58.379 ; D3.5@86.878,65.609 86.878,64.074 87.007,63.945 v1@88.085,63.945 ; D1.10@87.884,49.53 87.884,48.534 88.172,48.246 90.156,48.246 90.424,48.514 D1.12@90.424,49.53 90.424,50.691 v1(90.156,50.959) ; D1.5@87.884,55.068 87.884,56.251 88.148,56.515 v1(88.773,56.515) ; D4.3@89.408,76.835 89.408,78.613 90.253,79.458 91.269,79.458 91.567,79.756 91.567,80.55 91.059,81.058 v1(91.059,81.661) ; D3.12@89.418,60.071 89.362,60.015 89.362,58.693 89.048,58.379 ; D3.3@89.418,65.609 89.418,64.083 89.281,63.945 v1@88.085,63.945 ; D1.3@90.424,55.068 90.424,56.007 89.916,56.515 v1(88.773,56.515) ; v1(97.319,50.419) 97.467,50.271 97.467,50.229 97.912,49.784 R5.2@98.044,49.784 R5.2@98.298,49.784 ; 87.163,58.379 85.896,57.113 85.896,57.08 84.261,57.08 83.693,57.648 83.693,59.819 82.751,60.761 82.751,63.066 83.397,63.712 87.852,63.712 v1@88.085,63.945 ; 87.163,58.379 89.048,58.379 ; v1(88.773,56.515) 89.048,56.79 89.048,58.379
  Signal Layer 1 w0.2: v1(83.058,48.514) 83.566,49.022 83.566,54.356 85.217,56.007 85.217,56.662 85.451,56.896 86.487,56.896 86.868,56.515 v1(88.773,56.515) ; v1(86.233,75.692) 86.233,77.84 v1(86.868,78.475) ; v1(86.741,69.611) 88.172,68.18 v1(88.172,64.008) ; v1(90.156,50.959) 91.964,49.151 95.506,49.151 96.774,50.419 v1(97.319,50.419)
  Signal Layer 2 w0.2: v1(83.058,48.514) 83.058,48.401 83.566,47.893 89.916,47.893 90.156,48.133 v1(90.156,50.959) ; v1@86.209,75.668 86.487,75.39 86.487,74.168 86.741,73.914 v1(86.741,69.611) ; v1(86.868,78.475) 90.794,78.475 91.567,79.248 91.567,80.518 91.059,81.026 v1(91.059,81.661)
  Bottom Layer w0.2: v1(83.058,48.514) 83.058,48.274 83.439,47.893 86.741,47.893 87.122,48.274 D2.5@87.122,48.641 ; D2.5@87.122,49.53 D2.5@87.122,48.641 ; D2.10@87.122,55.068 87.122,56.305 87.332,56.515 v1(88.773,56.515) 89.325,56.515 89.662,56.178 D2.12@89.662,55.068 ; D2.3@89.662,49.53 89.662,48.387 89.281,48.006 87.757,48.006 D2.5@87.122,48.641 ; U1.1@94.251,49.266 95.614,47.903 ; 95.614,47.893 97.423,47.893 97.851,48.321 97.851,48.581 97.853,48.583 97.853,49.671 97.319,50.205 v1(97.319,50.419)
VIN: C1.2 C2.2 C5.2 C6.2 C11.2 C12.2 D10.2 VR1.3 VR2.3 VR3.3 | length 70.8
  Top Layer w0.254: v1(58.877,84.796) 59.301,84.796 C11.2@59.309,84.804
  Top Layer w0.508: C11.2@59.309,84.804 C12.2@60.666,84.804 ; v1(87.63,87.884) 87.63,84.455 88.153,83.932 C1.2@88.9,83.932 C2.2@90.297,83.932 v1(90.297,83.439) ; v1@97.641,88.116 C5.2@98.459,88.116
  Signal Layer 1 w0.508: v1(58.039,87.671) 59.014,88.646 v1(70.358,88.646)
  Signal Layer 2 w0.508: v1(70.358,85.938) 78.781,85.938 79.696,85.023 82.871,85.023 83.439,84.455 v1(83.439,82.493)
  Bottom Layer w0.508: D10.2@54.229,83.566 54.864,84.201 58.166,84.201 58.761,84.796 v1(58.877,84.796) 58.877,87.503 58.709,87.671 v1(58.039,87.671) VR3.3@57.082,87.671 ; v1(70.358,85.938) v1(70.358,88.646) ; v1(83.439,82.493) 84.398,81.534 89.916,81.534 90.297,81.915 v1(90.297,83.439) ; VR1.3@86.583,87.757 86.71,87.884 v1(87.63,87.884) 88.011,88.265 93.599,88.265 94.115,87.749 VR2.3@95.078,87.749 95.877,87.749 96.266,88.138 v1(97.663,88.138)
Vrefin: R4.1 R7.1 U1.3 | length 8
  Top Layer w0.2: R7.1@95.504,51.308 95.504,52.041 95.787,52.324 98.552,52.324 99.441,51.435 R4.1@99.441,50.59
  Bottom Layer w0.2: U1.3@94.251,51.166 95.362,51.166 95.511,51.315 v1(95.511,52.041)
pads on no net: *1.2 *1.3 *1.5 *1.6 *1.7 *1.14 *1.15 *1.18 *1.21 *1.22 *1.23 *1.24 *1.25 *1.26 *1.31 *1.32 *1.33 *1.34 *1.35 *1.36 *1.37 *1.38 *1.39 *1.40 *1.41 *1.42 *1.43 ASW1.4 ASW2.4 ASW3.4 ASW4.4 ASW5.4 ASW6.4 ASW7.4 ASW8.4 ASW9.4 ASW10.4 ASW11.4 ASW12.4 ASW13.4 ASW14.4 ASW15.4 ASW16.4 D11.A D11.K P3.0 P4.0 R34.2 S1.3 S1.4 S2.3 S2.4 U2.7 U2.8 U2.9 U2.12 U2.13 U2.20 U2.21 U2.30 U2.31 U2.47 U2.51 U2.54 U2.71 U2.73 U2.77 U2.78 U2.79
copper on no net: | length 12.2
  Top Layer w0.254: v1(55.182,76.904) 55.726,76.359 55.726,76.327 55.954,76.099 55.954,75.114 ; v1@55.499,78.785 57.334,78.785 57.644,78.475 ; 55.819,80.518 56.598,80.518 v1(56.624,80.544) ; 59.184,78.475 59.795,78.475 v1(59.84,78.43)
  Bottom Layer w0.254: v1(55.182,76.904) 55.182,78.51 55.457,78.785 v1(55.626,78.785) ; v1@56.54,80.461 v1(56.624,80.544) 57.469,79.699 58.428,79.699 59.698,78.43 v1(59.84,78.43)

## Polygon pours and split planes (outlines as drawn)
GND on Bottom Layer "Bottom Layer-GND" (solid, remove dead copper, pour order 6): 45.212,92.075 45.339,91.948 45.339,47.371 105.918,47.371 108.204,45.085 109.474,46.355 109.474,91.821
GND on Top Layer "Top Layer-GND" (solid, remove dead copper, pour order 4): 45.974,92.202 45.974,43.942 43.815,41.783 45.466,40.132 111.633,40.132 111.633,95.25 110.363,96.52
AVCC_5 on VCC (split plane): 102.22,89.001 102.312,88.973 102.397,88.928 102.472,88.867 102.533,88.792 102.578,88.707 102.606,88.615 102.615,88.531 102.614,88.519 102.614,48.519 102.615,48.507 102.606,48.423 102.578,48.331 102.533,48.246 102.472,48.171 102.397,48.11 102.312,48.065 102.22,48.037 102.136,48.028 102.125,48.029 102.124,48.029 102.074,48.025 102.073,48.024 70.995,48.024 70.995,56.625 71.32,56.95 71.348,56.992 71.358,57.041 71.348,57.091 71.32,57.133 71.278,57.161 71.229,57.171 69.885,57.171 68.709,58.347 68.709,72.59 69.207,73.088 76.647,73.088 76.696,73.098 76.738,73.126 78.07,74.457 78.098,74.499 78.107,74.549 78.107,77.089 78.107,80.645 78.098,80.695 78.07,80.737 76.157,82.649 76.115,82.677 76.066,82.687 67.571,82.687 67.522,82.677 67.48,82.649 67.002,82.171 65.153,82.171 65.153,85.725 65.153,88.526 65.144,88.575 65.116,88.617 65.074,88.645 65.024,88.655 56.007,88.655 55.957,88.645 55.915,88.617 55.661,88.363 55.633,88.321 55.624,88.272 55.624,87.199 55.624,86.233 55.624,84.455 55.633,84.405 55.661,84.363 55.703,84.335 55.753,84.326 61.73,84.326 61.73,83.479 61.729,83.478 61.72,83.429 61.72,82.677 61.729,82.627 61.757,82.585 61.799,82.557 61.849,82.548 63.752,82.548 63.752,81.026 63.761,80.976 63.789,80.934 63.831,80.906 63.881,80.897 71.193,80.897 71.282,80.807 71.324,80.779 71.374,80.77 74.607,80.77 76.325,79.052 76.325,77.314 76.325,75.137 75.866,74.678 58.855,74.678 54.321,79.213 54.279,79.241 54.229,79.25 49.695,79.25 49.659,79.243 49.659,88.514 49.658,88.526 49.667,88.61 49.695,88.702 49.74,88.787 49.801,88.862 49.876,88.923 49.961,88.968 50.053,88.996 50.137,89.005 50.148,89.004 50.149,89.004 50.199,89.008 50.2,89.009 102.124,89.009 102.136,89.01
VCC on VCC (split plane): 64.895,85.725 64.895,82.042 64.904,81.992 64.932,81.95 64.974,81.922 65.024,81.913 67.056,81.913 67.106,81.922 67.148,81.95 67.625,82.428 76.012,82.428 77.849,80.591 77.849,77.089 77.849,74.603 76.593,73.347 65.773,73.347 65.723,73.337 65.681,73.309 65.653,73.267 65.643,73.218 65.653,73.168 65.681,73.126 65.723,73.098 65.773,73.088 68.841,73.088 68.488,72.736 68.46,72.694 68.451,72.644 68.451,58.293 68.46,58.243 68.488,58.201 69.74,56.95 69.782,56.922 69.832,56.912 70.916,56.912 70.774,56.77 70.746,56.728 70.737,56.678 70.737,48.024 50.361,48.024 49.824,48.562 49.824,78.992 54.175,78.992 58.709,74.457 58.751,74.429 58.801,74.42 75.919,74.42 75.969,74.429 76.011,74.457 76.546,74.992 76.574,75.034 76.583,75.084 76.583,77.314 76.583,79.105 76.574,79.155 76.546,79.197 74.752,80.991 74.71,81.019 74.66,81.028 71.428,81.028 71.339,81.118 71.297,81.146 71.247,81.155 64.01,81.155 64.01,82.617 64.018,82.627 64.027,82.677 64.018,82.727 63.989,82.769 63.947,82.797 63.898,82.806 61.978,82.806 61.978,83.389 61.979,83.389 61.989,83.439 61.989,84.445 61.979,84.494 61.951,84.536 61.941,84.547 61.899,84.575 61.849,84.584 55.882,84.584 55.882,86.233 55.882,87.199 55.882,88.218 56.061,88.396 64.895,88.396
AVCC_5 on VCC (split plane): 49.959,48.06 49.876,48.105 49.801,48.166 49.74,48.241 49.695,48.324
AGND on GND (split plane): 102.22,89.001 102.312,88.973 102.397,88.928 102.472,88.867 102.533,88.792 102.578,88.707 102.606,88.615 102.615,88.531 102.614,88.519 102.614,48.519 102.615,48.507 102.606,48.423 102.578,48.331 102.533,48.246 102.472,48.171 102.397,48.11 102.312,48.065 102.22,48.037 102.136,48.028 102.125,48.029 102.124,48.029 102.074,48.025 102.073,48.024 50.149,48.024 50.137,48.023 50.053,48.032 49.961,48.06 49.876,48.105 49.801,48.166 49.74,48.241 49.695,48.326 49.667,48.418 49.658,48.502 49.659,48.514 49.659,88.514 49.658,88.526 49.667,88.61 49.695,88.702 49.74,88.787 49.801,88.862 49.876,88.923 49.961,88.968 50.053,88.996 50.137,89.005 50.148,89.004 50.149,89.004 50.199,89.008 50.2,89.009 102.124,89.009 102.136,89.01

## Keep-outs
Keep-Out Layer:
  lines w0.254: 50.124,89.519 102.124,89.519 cw(c102.124,88.519) 103.124,88.519 103.124,48.519 cw(c102.124,48.519) 102.124,47.519 ; 50.149,89.514 ccw(c50.149,88.514) 49.149,88.514 49.149,48.514 ccw(c50.149,48.514) 50.149,47.514 102.149,47.514

## Other copper
VCC (plane layer: these items are gaps in the copper):
  lines w0.254: 49.695,78.992 49.695,48.508 50.578,47.625 70.739,47.625 70.866,47.752 70.866,56.678 71.229,57.041 69.832,57.041 68.58,58.293 68.58,72.644 69.154,73.218 76.647,73.218 ; 49.695,79.121 54.229,79.121 58.801,74.549 66.421,74.549 75.919,74.549 76.454,75.084 76.454,77.314 76.454,79.105 74.66,80.899 71.374,80.899 71.247,81.026 63.881,81.026 63.881,82.66 63.898,82.677 61.849,82.677 61.849,83.429 61.859,83.439 61.859,84.445 61.849,84.455 55.753,84.455 55.753,86.233 55.753,87.199 55.753,88.272 56.007,88.526 65.024,88.526 65.024,85.725 65.024,82.042 67.056,82.042 67.571,82.557 70.866,82.557 76.066,82.557 77.978,80.645 77.978,77.089 77.978,74.549 76.647,73.218 ; 65.773,73.218 76.647,73.218

## Silkscreen, mask and mechanical layers (free items; w line width, h text height)
Top Overlay:
  text "+" at 51.562,88.265 h1.02 r90
  text "ZWH" at 66.929,87.757 h1.02
  text "G" at 52.07,81.915 h1.02 r270
  text "V" at 50.546,75.946 h1.02 r270
  text "V" at 52.578,57.531 h1.02 r270

## Text inside footprints (layer, text, board x,y; h text height)
A1: Top Overlay "AD7606" at 77.545,54.111 h0.76 r180
A2: Top Overlay "AD7606" at 77.545,79.384 h0.76 r180